# EAGLE board Mk4 Final a Panel score 2x5 (EAGLE 9.0.1), part 20 of 29
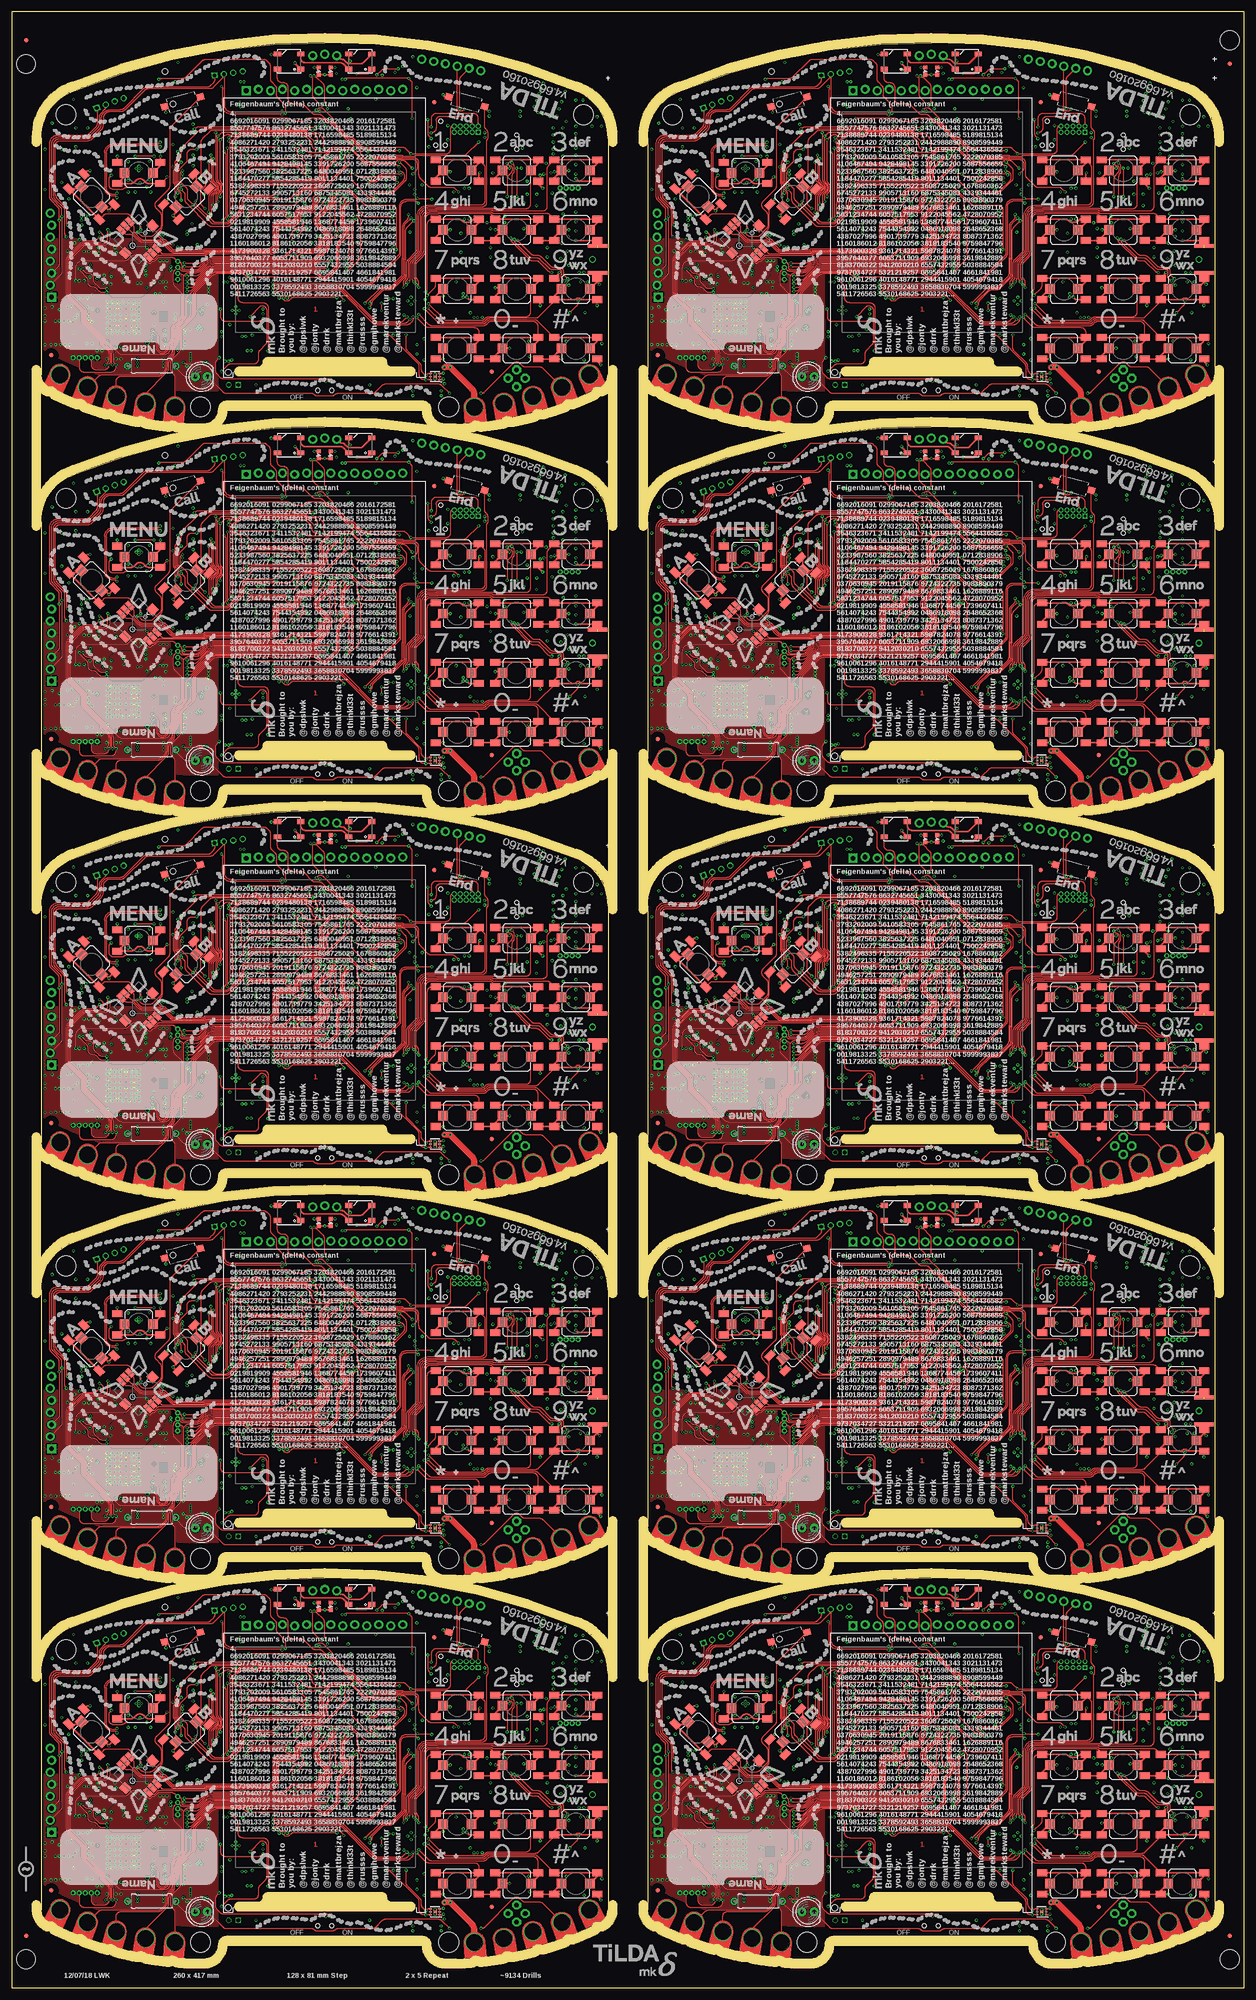
[diagram p0: board, top side]
## Tracks (layer width: path | path; a pad name or v marks a point on that pad's centre or on a via) (continued)
PWM6_LCD_BLIGHT5  (via drill 0.3) (continued)
  3V3@2 0.15: v192.8,224.6 198.85,218.55 v198.85,218.15
  Bottom 0.15: Q21.3 209.42,205.33 arc-45 209.28,204.98 v209.1,204.8 | IC92.63 187.3,226.8 v187.5,226.6
PWM6_LCD_BLIGHT6  (via drill 0.3)
  Top 0.15: v81.1,285.8 81.1,294.2 arc90 80.1,295.2 74.99,295.2 arc-45 74.28,295.49 70.85,298.92 v70.85,299.15 | v59.5,307.6 60.03,307.07 arc-45 60.17,306.72 60.17,306.35 arc90 60.92,305.6 v64.8,305.6
  3V3@2 0.15: v64.8,305.6 70.85,299.55 v70.85,299.15
  Bottom 0.15: Q25.3 81.42,286.33 arc-45 81.28,285.98 v81.1,285.8 | IC110.63 59.3,307.8 v59.5,307.6
PWM6_LCD_BLIGHT7  (via drill 0.3)
  Top 0.15: v209.1,285.8 209.1,294.2 arc90 208.1,295.2 202.99,295.2 arc-45 202.28,295.49 198.85,298.92 v198.85,299.15 | v187.5,307.6 188.03,307.07 arc-45 188.18,306.72 188.18,306.35 arc90 188.93,305.6 v192.8,305.6
  3V3@2 0.15: v192.8,305.6 198.85,299.55 v198.85,299.15
  Bottom 0.15: Q29.3 209.42,286.33 arc-45 209.28,285.98 v209.1,285.8 | IC128.63 187.3,307.8 v187.5,307.6
PWM6_LCD_BLIGHT8  (via drill 0.3)
  Top 0.15: v81.1,366.8 81.1,375.2 arc90 80.1,376.2 74.99,376.2 arc-45 74.28,376.49 70.85,379.92 v70.85,380.15 | v59.5,388.6 60.03,388.07 arc-45 60.17,387.72 60.17,387.35 arc90 60.92,386.6 v64.8,386.6
  3V3@2 0.15: v64.8,386.6 70.85,380.55 v70.85,380.15
  Bottom 0.15: Q33.3 81.42,367.33 arc-45 81.28,366.98 v81.1,366.8 | IC146.63 59.3,388.8 v59.5,388.6
PWM6_LCD_BLIGHT9  (via drill 0.3)
  Top 0.15: v209.1,366.8 209.1,375.2 arc90 208.1,376.2 202.99,376.2 arc-45 202.28,376.49 198.85,379.92 v198.85,380.15 | v187.5,388.6 188.03,388.07 arc-45 188.18,387.72 188.18,387.35 arc90 188.93,386.6 v192.8,386.6
  3V3@2 0.15: v192.8,386.6 198.85,380.55 v198.85,380.15
  Bottom 0.15: Q37.3 209.42,367.33 arc-45 209.28,366.98 v209.1,366.8 | IC164.63 187.3,388.8 v187.5,388.6
PWR_KEY_FET
  Bottom 0.15: IC5.39 105.4,37.25 arc-90 103.9,35.75 97.67,35.75 Q1.3
PWR_KEY_FET1
  Bottom 0.15: IC21.39 233.4,37.25 arc-90 231.9,35.75 225.68,35.75 Q6.3
PWR_KEY_FET2
  Bottom 0.15: IC39.39 105.4,118.25 arc-90 103.9,116.75 97.67,116.75 Q11.3
PWR_KEY_FET3
  Bottom 0.15: IC57.39 233.4,118.25 arc-90 231.9,116.75 225.68,116.75 Q15.3
PWR_KEY_FET4
  Bottom 0.15: IC75.39 105.4,199.25 arc-90 103.9,197.75 97.67,197.75 Q19.3
PWR_KEY_FET5
  Bottom 0.15: IC93.39 233.4,199.25 arc-90 231.9,197.75 225.68,197.75 Q23.3
PWR_KEY_FET6
  Bottom 0.15: IC111.39 105.4,280.25 arc-90 103.9,278.75 97.67,278.75 Q27.3
PWR_KEY_FET7
  Bottom 0.15: IC129.39 233.4,280.25 arc-90 231.9,278.75 225.68,278.75 Q31.3
PWR_KEY_FET8
  Bottom 0.15: IC147.39 105.4,361.25 arc-90 103.9,359.75 97.67,359.75 Q35.3
PWR_KEY_FET9
  Bottom 0.15: IC165.39 233.4,361.25 arc-90 231.9,359.75 225.68,359.75 Q39.3
RBIAS+
  Bottom 0.2: IC1.59 56.8,63.2 R3.1
RBIAS+1
  Bottom 0.2: IC20.59 184.8,63.2 R87.1
RBIAS+2
  Bottom 0.2: IC38.59 56.8,144.2 R165.1
RBIAS+3
  Bottom 0.2: IC56.59 184.8,144.2 R243.1
RBIAS+4
  Bottom 0.2: IC74.59 56.8,225.2 R321.1
RBIAS+5
  Bottom 0.2: IC92.59 184.8,225.2 R399.1
RBIAS+6
  Bottom 0.2: IC110.59 56.8,306.2 R477.1
RBIAS+7
  Bottom 0.2: IC128.59 184.8,306.2 R555.1
RBIAS+8
  Bottom 0.2: IC146.59 56.8,387.2 R633.1
RBIAS+9
  Bottom 0.2: IC164.59 184.8,387.2 R711.1
SDRAM_!CAS  (via drill 0.3)
  Top 0.15: v49.5,56.25 49.96,56.71 arc-45 50.66,57 64.1,57 arc90 65.6,58.5 65.6,60.69 arc-45 65.89,61.39 v66.5,62
  Bottom 0.15: IC2.17 48.95,56.3 49,56.25 v49.5,56.25 | IC1.83 67,62.91 arc-45 66.71,62.21 v66.5,62
SDRAM_!CAS1  (via drill 0.3)
  Top 0.15: v177.5,56.25 177.96,56.71 arc-45 178.66,57 192.1,57 arc90 193.6,58.5 193.6,60.69 arc-45 193.89,61.39 v194.5,62
  Bottom 0.15: IC19.17 176.95,56.3 177,56.25 v177.5,56.25 | IC20.83 195,62.91 arc-45 194.71,62.21 v194.5,62
SDRAM_!CAS2  (via drill 0.3)
  Top 0.15: v49.5,137.25 49.96,137.71 arc-45 50.66,138 64.1,138 arc90 65.6,139.5 65.6,141.69 arc-45 65.89,142.39 v66.5,143
  Bottom 0.15: IC37.17 48.95,137.3 49,137.25 v49.5,137.25 | IC38.83 67,143.91 arc-45 66.71,143.21 v66.5,143
SDRAM_!CAS3  (via drill 0.3)
  Top 0.15: v177.5,137.25 177.96,137.71 arc-45 178.66,138 192.1,138 arc90 193.6,139.5 193.6,141.69 arc-45 193.89,142.39 v194.5,143
  Bottom 0.15: IC55.17 176.95,137.3 177,137.25 v177.5,137.25 | IC56.83 195,143.91 arc-45 194.71,143.21 v194.5,143
SDRAM_!CAS4  (via drill 0.3)
  Top 0.15: v49.5,218.25 49.96,218.71 arc-45 50.66,219 64.1,219 arc90 65.6,220.5 65.6,222.69 arc-45 65.89,223.39 v66.5,224
  Bottom 0.15: IC73.17 48.95,218.3 49,218.25 v49.5,218.25 | IC74.83 67,224.91 arc-45 66.71,224.21 v66.5,224
SDRAM_!CAS5  (via drill 0.3)
  Top 0.15: v177.5,218.25 177.96,218.71 arc-45 178.66,219 192.1,219 arc90 193.6,220.5 193.6,222.69 arc-45 193.89,223.39 v194.5,224
  Bottom 0.15: IC91.17 176.95,218.3 177,218.25 v177.5,218.25 | IC92.83 195,224.91 arc-45 194.71,224.21 v194.5,224
SDRAM_!CAS6  (via drill 0.3)
  Top 0.15: v49.5,299.25 49.96,299.71 arc-45 50.66,300 64.1,300 arc90 65.6,301.5 65.6,303.69 arc-45 65.89,304.39 v66.5,305
  Bottom 0.15: IC109.17 48.95,299.3 49,299.25 v49.5,299.25 | IC110.83 67,305.91 arc-45 66.71,305.21 v66.5,305
SDRAM_!CAS7  (via drill 0.3)
  Top 0.15: v177.5,299.25 177.96,299.71 arc-45 178.66,300 192.1,300 arc90 193.6,301.5 193.6,303.69 arc-45 193.89,304.39 v194.5,305
  Bottom 0.15: IC127.17 176.95,299.3 177,299.25 v177.5,299.25 | IC128.83 195,305.91 arc-45 194.71,305.21 v194.5,305
SDRAM_!CAS8  (via drill 0.3)
  Top 0.15: v49.5,380.25 49.96,380.71 arc-45 50.66,381 64.1,381 arc90 65.6,382.5 65.6,384.69 arc-45 65.89,385.39 v66.5,386
  Bottom 0.15: IC145.17 48.95,380.3 49,380.25 v49.5,380.25 | IC146.83 67,386.91 arc-45 66.71,386.21 v66.5,386
SDRAM_!CAS9  (via drill 0.3)
  Top 0.15: v177.5,380.25 177.96,380.71 arc-45 178.66,381 192.1,381 arc90 193.6,382.5 193.6,384.69 arc-45 193.89,385.39 v194.5,386
  Bottom 0.15: IC163.17 176.95,380.3 177,380.25 v177.5,380.25 | IC164.83 195,386.91 arc-45 194.71,386.21 v194.5,386
SDRAM_!CS  (via drill 0.3)
  Top 0.15: v69.5,62.75 69.16,62.41 arc-45 68.89,62.3 arc45 68.18,62.01 66.49,60.32 arc45 66.2,59.61 66.2,58.4 arc-90 64.2,56.4 51.56,56.4 arc45 50.86,56.11 v49.5,54.75
  Bottom 0.15: IC2.19 48.43,54.75 v49.5,54.75 | IC1.103 72.55,62.8 arc-45 72.43,62.75 v69.5,62.75
SDRAM_!CS1  (via drill 0.3)
  Top 0.15: v197.5,62.75 197.16,62.41 arc-45 196.89,62.3 arc45 196.18,62.01 194.49,60.32 arc45 194.2,59.61 194.2,58.4 arc-90 192.2,56.4 179.56,56.4 arc45 178.86,56.11 v177.5,54.75
  Bottom 0.15: IC19.19 176.43,54.75 v177.5,54.75 | IC20.103 200.55,62.8 arc-45 200.43,62.75 v197.5,62.75
SDRAM_!CS2  (via drill 0.3)
  Top 0.15: v69.5,143.75 69.16,143.41 arc-45 68.89,143.3 arc45 68.18,143.01 66.49,141.32 arc45 66.2,140.61 66.2,139.4 arc-90 64.2,137.4 51.56,137.4 arc45 50.86,137.11 v49.5,135.75
  Bottom 0.15: IC37.19 48.43,135.75 v49.5,135.75 | IC38.103 72.55,143.8 arc-45 72.43,143.75 v69.5,143.75
SDRAM_!CS3  (via drill 0.3)
  Top 0.15: v197.5,143.75 197.16,143.41 arc-45 196.89,143.3 arc45 196.18,143.01 194.49,141.32 arc45 194.2,140.61 194.2,139.4 arc-90 192.2,137.4 179.56,137.4 arc45 178.86,137.11 v177.5,135.75
  Bottom 0.15: IC55.19 176.43,135.75 v177.5,135.75 | IC56.103 200.55,143.8 arc-45 200.43,143.75 v197.5,143.75
SDRAM_!CS4  (via drill 0.3)
  Top 0.15: v69.5,224.75 69.16,224.41 arc-45 68.89,224.3 arc45 68.18,224.01 66.49,222.32 arc45 66.2,221.61 66.2,220.4 arc-90 64.2,218.4 51.56,218.4 arc45 50.86,218.11 v49.5,216.75
  Bottom 0.15: IC73.19 48.43,216.75 v49.5,216.75 | IC74.103 72.55,224.8 arc-45 72.43,224.75 v69.5,224.75
SDRAM_!CS5  (via drill 0.3)
  Top 0.15: v197.5,224.75 197.16,224.41 arc-45 196.89,224.3 arc45 196.18,224.01 194.49,222.32 arc45 194.2,221.61 194.2,220.4 arc-90 192.2,218.4 179.56,218.4 arc45 178.86,218.11 v177.5,216.75
  Bottom 0.15: IC91.19 176.43,216.75 v177.5,216.75 | IC92.103 200.55,224.8 arc-45 200.43,224.75 v197.5,224.75
SDRAM_!CS6  (via drill 0.3)
  Top 0.15: v69.5,305.75 69.16,305.41 arc-45 68.89,305.3 arc45 68.18,305.01 66.49,303.32 arc45 66.2,302.61 66.2,301.4 arc-90 64.2,299.4 51.56,299.4 arc45 50.86,299.11 v49.5,297.75
  Bottom 0.15: IC109.19 48.43,297.75 v49.5,297.75 | IC110.103 72.55,305.8 arc-45 72.43,305.75 v69.5,305.75
SDRAM_!CS7  (via drill 0.3)
  Top 0.15: v197.5,305.75 197.16,305.41 arc-45 196.89,305.3 arc45 196.18,305.01 194.49,303.32 arc45 194.2,302.61 194.2,301.4 arc-90 192.2,299.4 179.56,299.4 arc45 178.86,299.11 v177.5,297.75
  Bottom 0.15: IC127.19 176.43,297.75 v177.5,297.75 | IC128.103 200.55,305.8 arc-45 200.43,305.75 v197.5,305.75
SDRAM_!CS8  (via drill 0.3)
  Top 0.15: v69.5,386.75 69.16,386.41 arc-45 68.89,386.3 arc45 68.18,386.01 66.49,384.32 arc45 66.2,383.61 66.2,382.4 arc-90 64.2,380.4 51.56,380.4 arc45 50.86,380.11 v49.5,378.75
  Bottom 0.15: IC145.19 48.43,378.75 v49.5,378.75 | IC146.103 72.55,386.8 arc-45 72.43,386.75 v69.5,386.75
SDRAM_!CS9  (via drill 0.3)
  Top 0.15: v197.5,386.75 197.16,386.41 arc-45 196.89,386.3 arc45 196.18,386.01 194.49,384.32 arc45 194.2,383.61 194.2,382.4 arc-90 192.2,380.4 179.56,380.4 arc45 178.86,380.11 v177.5,378.75
  Bottom 0.15: IC163.19 176.43,378.75 v177.5,378.75 | IC164.103 200.55,386.8 arc-45 200.43,386.75 v197.5,386.75
SDRAM_!RAS  (via drill 0.3)
  Top 0.15: v49.5,55.5 50.41,56.41 arc-45 51.11,56.7 64.15,56.7 arc90 65.9,58.45 65.9,60.24 arc-45 66.19,60.94 v67.25,62
  Bottom 0.15: IC2.18 v49.5,55.5 | IC1.84 67.4,62.36 arc-45 v67.25,62
SDRAM_!RAS1  (via drill 0.3)
  Top 0.15: v177.5,55.5 178.41,56.41 arc-45 179.11,56.7 192.15,56.7 arc90 193.9,58.45 193.9,60.24 arc-45 194.19,60.94 v195.25,62
  Bottom 0.15: IC19.18 v177.5,55.5 | IC20.84 195.4,62.36 arc-45 v195.25,62
SDRAM_!RAS2  (via drill 0.3)
  Top 0.15: v49.5,136.5 50.41,137.41 arc-45 51.11,137.7 64.15,137.7 arc90 65.9,139.45 65.9,141.24 arc-45 66.19,141.94 v67.25,143
  Bottom 0.15: IC37.18 v49.5,136.5 | IC38.84 67.4,143.36 arc-45 v67.25,143
SDRAM_!RAS3  (via drill 0.3)
  Top 0.15: v177.5,136.5 178.41,137.41 arc-45 179.11,137.7 192.15,137.7 arc90 193.9,139.45 193.9,141.24 arc-45 194.19,141.94 v195.25,143
  Bottom 0.15: IC55.18 v177.5,136.5 | IC56.84 195.4,143.36 arc-45 v195.25,143
SDRAM_!RAS4  (via drill 0.3)
  Top 0.15: v49.5,217.5 50.41,218.41 arc-45 51.11,218.7 64.15,218.7 arc90 65.9,220.45 65.9,222.24 arc-45 66.19,222.94 v67.25,224
  Bottom 0.15: IC73.18 v49.5,217.5 | IC74.84 67.4,224.36 arc-45 v67.25,224
SDRAM_!RAS5  (via drill 0.3)
  Top 0.15: v177.5,217.5 178.41,218.41 arc-45 179.11,218.7 192.15,218.7 arc90 193.9,220.45 193.9,222.24 arc-45 194.19,222.94 v195.25,224
  Bottom 0.15: IC91.18 v177.5,217.5 | IC92.84 195.4,224.36 arc-45 v195.25,224
SDRAM_!RAS6  (via drill 0.3)
  Top 0.15: v49.5,298.5 50.41,299.41 arc-45 51.11,299.7 64.15,299.7 arc90 65.9,301.45 65.9,303.24 arc-45 66.19,303.94 v67.25,305
  Bottom 0.15: IC109.18 v49.5,298.5 | IC110.84 67.4,305.36 arc-45 v67.25,305
SDRAM_!RAS7  (via drill 0.3)
  Top 0.15: v177.5,298.5 178.41,299.41 arc-45 179.11,299.7 192.15,299.7 arc90 193.9,301.45 193.9,303.24 arc-45 194.19,303.94 v195.25,305
  Bottom 0.15: IC127.18 v177.5,298.5 | IC128.84 195.4,305.36 arc-45 v195.25,305
SDRAM_!RAS8  (via drill 0.3)
  Top 0.15: v49.5,379.5 50.41,380.41 arc-45 51.11,380.7 64.15,380.7 arc90 65.9,382.45 65.9,384.24 arc-45 66.19,384.94 v67.25,386
  Bottom 0.15: IC145.18 v49.5,379.5 | IC146.84 67.4,386.36 arc-45 v67.25,386
SDRAM_!RAS9  (via drill 0.3)
  Top 0.15: v177.5,379.5 178.41,380.41 arc-45 179.11,380.7 192.15,380.7 arc90 193.9,382.45 193.9,384.24 arc-45 194.19,384.94 v195.25,386
  Bottom 0.15: IC163.18 v177.5,379.5 | IC164.84 195.4,386.36 arc-45 v195.25,386
SDRAM_!WE  (via drill 0.3)
  Top 0.15: v69.5,63.5 67.54,63.5 arc45 66.83,63.21 65.59,61.97 arc45 65.3,61.26 65.3,58.62 arc-90 64.05,57.38 50.29,57.38 arc45 49.58,57.08 v49.5,57
  Bottom 0.15: IC2.16 48.9,57.1 49,57 v49.5,57 | IC1.92 70.6,65.01 arc-45 70.31,64.31 v69.5,63.5
SDRAM_!WE1  (via drill 0.3)
  Top 0.15: v197.5,63.5 195.54,63.5 arc45 194.83,63.21 193.59,61.97 arc45 193.3,61.26 193.3,58.62 arc-90 192.05,57.38 178.29,57.38 arc45 177.58,57.08 v177.5,57
  Bottom 0.15: IC19.16 176.9,57.1 177,57 v177.5,57 | IC20.92 198.6,65.01 arc-45 198.31,64.31 v197.5,63.5
SDRAM_!WE2  (via drill 0.3)
  Top 0.15: v69.5,144.5 67.54,144.5 arc45 66.83,144.21 65.59,142.97 arc45 65.3,142.26 65.3,139.62 arc-90 64.05,138.38 50.29,138.38 arc45 49.58,138.08 v49.5,138
  Bottom 0.15: IC37.16 48.9,138.1 49,138 v49.5,138 | IC38.92 70.6,146.01 arc-45 70.31,145.31 v69.5,144.5
SDRAM_!WE3  (via drill 0.3)
  Top 0.15: v197.5,144.5 195.54,144.5 arc45 194.83,144.21 193.59,142.97 arc45 193.3,142.26 193.3,139.62 arc-90 192.05,138.38 178.29,138.38 arc45 177.58,138.08 v177.5,138
  Bottom 0.15: IC55.16 176.9,138.1 177,138 v177.5,138 | IC56.92 198.6,146.01 arc-45 198.31,145.31 v197.5,144.5
SDRAM_!WE4  (via drill 0.3)
  Top 0.15: v69.5,225.5 67.54,225.5 arc45 66.83,225.21 65.59,223.97 arc45 65.3,223.26 65.3,220.62 arc-90 64.05,219.38 50.29,219.38 arc45 49.58,219.08 v49.5,219
  Bottom 0.15: IC73.16 48.9,219.1 49,219 v49.5,219 | IC74.92 70.6,227.01 arc-45 70.31,226.31 v69.5,225.5
SDRAM_!WE5  (via drill 0.3)
  Top 0.15: v197.5,225.5 195.54,225.5 arc45 194.83,225.21 193.59,223.97 arc45 193.3,223.26 193.3,220.62 arc-90 192.05,219.38 178.29,219.38 arc45 177.58,219.08 v177.5,219
  Bottom 0.15: IC91.16 176.9,219.1 177,219 v177.5,219 | IC92.92 198.6,227.01 arc-45 198.31,226.31 v197.5,225.5
SDRAM_!WE6  (via drill 0.3)
  Top 0.15: v69.5,306.5 67.54,306.5 arc45 66.83,306.21 65.59,304.97 arc45 65.3,304.26 65.3,301.62 arc-90 64.05,300.38 50.29,300.38 arc45 49.58,300.08 v49.5,300
  Bottom 0.15: IC109.16 48.9,300.1 49,300 v49.5,300 | IC110.92 70.6,308.01 arc-45 70.31,307.31 v69.5,306.5
SDRAM_!WE7  (via drill 0.3)
  Top 0.15: v197.5,306.5 195.54,306.5 arc45 194.83,306.21 193.59,304.97 arc45 193.3,304.26 193.3,301.62 arc-90 192.05,300.38 178.29,300.38 arc45 177.58,300.08 v177.5,300
  Bottom 0.15: IC127.16 176.9,300.1 177,300 v177.5,300 | IC128.92 198.6,308.01 arc-45 198.31,307.31 v197.5,306.5
SDRAM_!WE8  (via drill 0.3)
  Top 0.15: v69.5,387.5 67.54,387.5 arc45 66.83,387.21 65.59,385.97 arc45 65.3,385.26 65.3,382.62 arc-90 64.05,381.38 50.29,381.38 arc45 49.58,381.08 v49.5,381
  Bottom 0.15: IC145.16 48.9,381.1 49,381 v49.5,381 | IC146.92 70.6,389.01 arc-45 70.31,388.31 v69.5,387.5
SDRAM_!WE9  (via drill 0.3)
  Top 0.15: v197.5,387.5 195.54,387.5 arc45 194.83,387.21 193.59,385.97 arc45 193.3,385.26 193.3,382.62 arc-90 192.05,381.38 178.29,381.38 arc45 177.58,381.08 v177.5,381
  Bottom 0.15: IC163.16 176.9,381.1 177,381 v177.5,381 | IC164.92 198.6,389.01 arc-45 198.31,388.31 v197.5,387.5
SDRAM_A0  (via drill 0.3)
  Top 0.15: v43,67.5 v43,67.49 42.98,67.47 42.98,62.27 43.02,62.22 43.02,57.7 arc45 43.32,56.99 43.73,56.58 arc-90 43.73,55.17 43.27,54.7 arc45 42.98,54 42.98,52.52 43.02,52.47 43.02,52.03 43,52.01 v43,51.5 | v58.3,51.5 57.99,51.19 arc-45 57.29,50.9 50.51,50.9 arc-45 49.81,51.19 v49.5,51.5
  Bottom 0.15: IC2.2 44.21,68.3 arc45 43.51,68.01 v43,67.5 | IC1.29 61,52.02 arc90 60.5,52.52 60.12,52.52 | v49.5,51.5 IC2.23 v43,51.5 | 60.12,52.52 | 60.12,52.52 59.68,52.52 arc45 59.08,52.28 v58.3,51.5
SDRAM_A1  (via drill 0.3)
  Top 0.15: v58.3,50.75 arc-45 57.94,50.6 49.86,50.6 arc-45 v49.5,50.75 | v45.75,66.5 46.11,66.14 arc-45 46.4,65.44 46.4,64.13 arc45 46.44,64.03 arc-45 46.5,63.89 v46.5,50.75
  Bottom 0.15: v45.75,66.5 arc-45 46.23,66.7 IC2.4 | IC1.30 60.6,51.98 arc90 60.35,52.23 59.68,52.23 arc45 59.33,52.08 59.21,51.96 arc45 59,51.45 arc-90 v58.3,50.75 | v49.5,50.75 49.07,50.75 arc45 48.95,50.7 IC2.24 47.8,50.7 47.75,50.75 v46.5,50.75
SDRAM_A2  (via drill 0.3)
  Top 0.15: v45.7,65.75 45.73,65.72 arc-45 46.02,65.01 46.02,52.4 45.98,52.35 45.98,50.02 v46,50 | v58.3,50 v58.29,50.01 arc45 57.59,50.3 50.21,50.3 arc45 v49.51,50.01 v49.5,50
  Bottom 0.15: v45.7,65.75 arc-45 46.06,65.9 IC2.5 | v49.5,50 49.08,50 arc45 48.94,49.94 48.9,49.9 IC2.25 47.85,49.9 47.81,49.94 arc45 47.67,50 v46,50 | IC1.31 60.2,49.85 arc-90 59.7,49.35 58.8,49.35 arc-90 58.3,49.85 v58.3,50 v58.3,49.99
SDRAM_A3  (via drill 0.3)
  Top 0.15: v45.5,64.25 45.48,64.22 45.48,49.27 v45.5,49.25 | v49.5,49.25 49.96,49.71 arc-45 50.66,50 57.14,50 arc-45 57.84,49.71 58.02,49.53 arc90 58.73,49.53 v59.2,50
  Bottom 0.15: v49.5,49.25 49,49.25 48.85,49.1 IC2.26 47.9,49.1 47.81,49.19 arc45 47.67,49.25 v45.5,49.25 | v59.2,50 59.3,50 arc90 59.8,50.5 IC1.32 | v45.5,64.25 45.52,64.25 45.57,64.2 46.61,64.2 arc-45 46.75,64.14 46.77,64.11 arc90 47.84,64.11 48.02,64.3 IC2.7
SDRAM_A4  (via drill 0.3)
  Top 0.15: v49.5,63.5 50.58,62.42 arc45 51.29,62.12 60.71,62.12 arc-45 61.42,61.83 v62.25,61 | v44.75,63.5 44.95,63.3 arc-45 45.1,62.94 45.1,49.76 arc-45 44.95,49.4 v44.55,49
  Bottom 0.15: IC1.22 63.8,59.04 arc45 63.51,59.74 v62.25,61 | v44.75,63.5 IC2.8 v49.5,63.5 | IC2.29 37.59,49.1 arc-45 37.69,49.06 arc45 37.83,49 v44.55,49
SDRAM_A5  (via drill 0.3)
  Top 0.15: v42,62.75 41.98,62.73 41.98,61.58 arc45 42.02,61.48 arc-45 42.08,61.34 42.08,57.8 arc45 42.37,57.09 43.23,56.23 arc-90 43.23,55.52 42.27,54.55 arc45 41.98,53.85 41.98,51.4 42.02,51.35 42.02,50.02 v42,50 | v62.25,60 61.54,60.71 arc45 60.84,61 57.67,61 arc-45 57.53,61.06 57.52,61.07 arc45 57.38,61.12 50.79,61.12 arc-45 50.08,61.42 v49.5,62
  Bottom 0.15: v62.25,60 63.11,59.14 arc-45 63.4,58.44 IC1.23 | v42,62.75 42.09,62.75 arc-45 42.79,62.46 42.96,62.29 arc45 43.66,62 47.42,62 arc-45 47.56,61.94 arc45 47.66,61.9 IC2.10 48.82,61.9 arc45 48.96,61.96 arc-45 49.06,62 v49.5,62 | IC2.30 37.59,49.9 arc45 37.69,49.94 arc-45 37.83,50 v42,50
SDRAM_A6  (via drill 0.3)
  Top 0.15: v41.5,61.25 41.5,59.74 41.52,59.72 41.52,57.93 arc45 41.82,57.22 42.99,56.05 arc-90 42.99,55.7 41.79,54.5 arc45 41.5,53.8 v41.5,50.75 | v62.25,59.25 61.09,60.41 arc45 60.39,60.7 57.55,60.7 arc-45 57.41,60.76 57.4,60.77 arc45 57.26,60.83 50.34,60.83 arc-45 49.63,61.12 v49.5,61.25
  Bottom 0.15: v62.25,59.25 62.71,58.79 arc-45 63,58.09 IC1.24 | v41.5,61.25 47.42,61.25 arc-45 47.56,61.19 47.59,61.16 arc45 47.73,61.1 IC2.11 48.77,61.1 arc45 48.91,61.16 48.94,61.19 arc-45 49.08,61.25 v49.5,61.25 | IC2.31 37.7,50.7 arc-45 37.82,50.75 v41.5,50.75
SDRAM_A7  (via drill 0.3)
  Top 0.15: v62.3,58.3 60.49,60.11 arc45 59.79,60.4 57.42,60.4 arc-45 57.28,60.46 57.28,60.47 arc45 57.13,60.52 50.94,60.52 arc45 50.23,60.23 v49.5,59.5 | v41,59.5 41,56.83 arc-45 40.71,56.12 40.14,55.56 arc45 39.85,54.85 39.85,52.81 arc45 40.14,52.11 v40.75,51.5
  Bottom 0.15: v49.5,59.5 IC2.13 v41,59.5 | IC2.32 v40.75,51.5 | IC1.25 62.6,53.26 62.62,53.28 62.62,57.56 arc45 62.33,58.27 v62.3,58.3
SDRAM_A8  (via drill 0.3)
  Top 0.15: v55.75,54.1 v55.74,54.09 arc-45 55.04,53.8 49.75,53.8 arc90 48.5,52.55 48.5,51.5 arc-45 48.21,50.79 45.89,48.47 arc-45 45.18,48.17 42.74,48.17 arc-45 42.03,48.47 v38.25,52.25 37.29,53.21 arc-45 37,53.91 37,55.33 arc45 36.71,56.03 35.47,57.27 arc-45 35.4,57.45 35.4,58.69 arc-45 35.55,59.05 v36,59.5
  Bottom 0.15: IC2.42 v36,59.5 | IC2.33 37.7,52.3 arc45 37.82,52.25 v38.25,52.25 | IC1.40 57.66,55.6 arc45 56.96,55.31 v55.75,54.1
SDRAM_A9  (via drill 0.3)
  Top 0.15: v35.75,53.25 35.75,54.34 arc45 35.46,55.05 35.38,55.12 arc-45 35.16,55.65 35.16,56.58 arc45 35.09,56.76 34.87,56.98 arc-45 34.8,57.16 34.8,59.24 arc-45 34.95,59.59 35.02,59.67 arc45 35.16,60.02 35.16,60.25 arc-45 35.46,60.96 v35.75,61.25 | v56.65,55.75 55.32,54.42 arc-45 54.61,54.12 49.5,54.12 arc90 48,52.62 48,51.42 arc-45 47.71,50.72 45.76,48.77 arc-45 45.05,48.48 43.2,48.48 arc-45 42.49,48.77 39.04,52.22 arc-45 38.75,52.92 v38.75,53
  Bottom 0.15: IC2.44 36.65,61.1 36.65,61.1 arc45 36.29,61.25 v35.75,61.25 | v35.75,53.25 36.29,53.25 arc-45 36.65,53.1 IC2.34 38.51,53.1 arc-45 v38.75,53 | IC1.41 57.25,56 arc45 v56.65,55.75
SDRAM_A10  (via drill 0.3)
  Top 0.15: v49.5,52.25 49.58,52.17 59.35,52.17 arc45 60.06,52.47 60.9,53.31 arc45 61.05,53.66 v61.05,53.8 | v42.5,52.25 42.5,53.95 arc-45 42.79,54.65 43.48,55.34 arc90 43.48,56.4 42.79,57.09 arc-45 42.5,57.8 v42.5,62
  Bottom 0.15: IC2.45 37.82,61.9 arc45 37.96,61.96 arc-45 38.06,62 v42.5,62 | v49.5,52.25 49,52.25 48.95,52.3 IC2.22 47.8,52.3 arc-45 47.68,52.25 v42.5,52.25 | IC1.50 59.54,59.6 arc-45 60.24,59.31 60.76,58.79 arc-45 61.05,58.09 v61.05,53.8
SDRAM_A11  (via drill 0.3)
  Top 0.15: v35,63.5 35,62.41 arc-45 34.71,61.71 arc45 34.5,61.21 34.5,60.49 34.52,60.47 34.52,60.1 arc-45 34.48,59.98 34.48,59.97 34.35,59.84 arc45 34.2,59.49 34.2,56.91 arc45 34.27,56.73 34.4,56.6 arc-45 34.48,56.42 34.48,54.53 34.5,54.51 v34.5,54 | v47.25,54.75 48.68,56.18 arc45 48.98,56.89 48.98,57.71 arc-45 49.27,58.42 50.46,59.61 arc-45 51.16,59.9 55.94,59.9 arc-45 56.64,59.61 56.96,59.29 arc45 57.66,59 v59.75,59
  Bottom 0.15: IC2.47 v35,63.5 | v34.5,54 36.42,54 arc-45 36.56,53.94 36.6,53.9 IC2.35 42.49,53.9 arc45 43.19,54.19 43.46,54.46 arc-45 44.16,54.75 v47.25,54.75 | IC1.49 59.27,59.2 arc-45 v59.75,59
SDRAM_A12  (via drill 0.3)
  Top 0.15: v35,54.75 35,55.08 34.86,55.22 34.86,56.46 arc45 34.79,56.64 34.57,56.85 arc-45 34.5,57.03 34.5,59.37 arc-45 34.65,59.72 34.72,59.79 arc45 34.86,60.14 34.86,60.95 arc-45 35.16,61.66 35.46,61.96 arc45 35.75,62.66 v35.75,64.25 39.53,68.03 arc-45 40.24,68.33 50.73,68.33 50.79,68.38 arc-90 52.21,68.38 52.42,68.17 62.97,68.17 arc-45 v63.47,67.97
  Bottom 0.15: IC2.48 36.55,64.3 36.5,64.25 v35.75,64.25 | IC2.36 36.55,54.7 36.5,54.75 v35,54.75 | v63.47,67.97 63.8,67.64 IC1.75
SDRAM_A13  (via drill 0.3)
  Top 0.15: v171,67.5 v171,67.49 170.97,67.47 170.97,62.27 171.03,62.22 171.03,57.7 arc45 171.32,56.99 171.73,56.58 arc-90 171.73,55.17 171.27,54.7 arc45 170.97,54 170.97,52.52 171.03,52.47 171.03,52.03 171,52.01 v171,51.5 | v186.3,51.5 185.99,51.19 arc-45 185.29,50.9 178.51,50.9 arc-45 177.81,51.19 v177.5,51.5
  Bottom 0.15: IC19.2 172.21,68.3 arc45 171.51,68.01 v171,67.5 | IC20.29 189,52.02 arc90 188.5,52.52 188.12,52.52 | v177.5,51.5 IC19.23 v171,51.5 | 188.12,52.52 | 188.12,52.52 187.68,52.52 arc45 187.08,52.28 v186.3,51.5
SDRAM_A14  (via drill 0.3)
  Top 0.15: v186.3,50.75 arc-45 185.94,50.6 177.86,50.6 arc-45 v177.5,50.75 | v173.75,66.5 174.11,66.14 arc-45 174.4,65.44 174.4,64.13 arc45 174.44,64.03 arc-45 174.5,63.89 v174.5,50.75
  Bottom 0.15: v173.75,66.5 arc-45 174.23,66.7 IC19.4 | IC20.30 188.6,51.98 arc90 188.35,52.23 187.68,52.23 arc45 187.33,52.08 187.21,51.96 arc45 187,51.45 arc-90 v186.3,50.75 | v177.5,50.75 177.07,50.75 arc45 176.95,50.7 IC19.24 175.8,50.7 175.75,50.75 v174.5,50.75
SDRAM_A15  (via drill 0.3)
  Top 0.15: v173.7,65.75 173.73,65.72 arc-45 174.03,65.01 174.03,52.4 173.97,52.35 173.97,50.02 v174,50 | v186.3,50 v186.29,50.01 arc45 185.59,50.3 178.21,50.3 arc45 v177.51,50.01 v177.5,50
  Bottom 0.15: v173.7,65.75 arc-45 174.06,65.9 IC19.5 | v177.5,50 177.08,50 arc45 176.94,49.94 176.9,49.9 IC19.25 175.85,49.9 175.81,49.94 arc45 175.67,50 v174,50 | IC20.31 188.2,49.85 arc-90 187.7,49.35 186.8,49.35 arc-90 186.3,49.85 v186.3,50 v186.3,49.99
SDRAM_A16  (via drill 0.3)
  Top 0.15: v173.5,64.25 173.47,64.22 173.47,49.27 v173.5,49.25 | v177.5,49.25 177.96,49.71 arc-45 178.66,50 185.14,50 arc-45 185.84,49.71 186.02,49.53 arc90 186.73,49.53 v187.2,50
  Bottom 0.15: v177.5,49.25 177,49.25 176.85,49.1 IC19.26 175.9,49.1 175.81,49.19 arc45 175.67,49.25 v173.5,49.25 | v187.2,50 187.3,50 arc90 187.8,50.5 IC20.32 | v173.5,64.25 173.52,64.25 173.57,64.2 174.61,64.2 arc-45 174.75,64.14 174.78,64.11 arc90 175.83,64.11 176.02,64.3 IC19.7
SDRAM_A17  (via drill 0.3)
  Top 0.15: v177.5,63.5 178.58,62.42 arc45 179.29,62.12 188.71,62.12 arc-45 189.42,61.83 v190.25,61 | v172.75,63.5 172.95,63.3 arc-45 173.1,62.94 173.1,49.76 arc-45 172.95,49.4 v172.55,49
  Bottom 0.15: IC20.22 191.8,59.04 arc45 191.51,59.74 v190.25,61 | v172.75,63.5 IC19.8 v177.5,63.5 | IC19.29 165.59,49.1 arc-45 165.69,49.06 arc45 165.83,49 v172.55,49
SDRAM_A18  (via drill 0.3)
  Top 0.15: v170,62.75 169.97,62.73 169.97,61.58 arc45 170.02,61.48 arc-45 170.07,61.34 170.07,57.8 arc45 170.37,57.09 171.24,56.23 arc-90 171.24,55.52 170.27,54.55 arc45 169.97,53.85 169.97,51.4 170.03,51.35 170.03,50.02 v170,50 | v190.25,60 189.54,60.71 arc45 188.84,61 185.67,61 arc-45 185.53,61.06 185.53,61.07 arc45 185.38,61.12 178.79,61.12 arc-45 178.08,61.42 v177.5,62
  Bottom 0.15: v190.25,60 191.11,59.14 arc-45 191.4,58.44 IC20.23 | v170,62.75 170.09,62.75 arc-45 170.79,62.46 170.96,62.29 arc45 171.66,62 175.42,62 arc-45 175.56,61.94 arc45 175.66,61.9 IC19.10 176.82,61.9 arc45 176.96,61.96 arc-45 177.06,62 v177.5,62 | IC19.30 165.59,49.9 arc45 165.69,49.94 arc-45 165.83,50 v170,50
SDRAM_A19  (via drill 0.3)
  Top 0.15: v169.5,61.25 169.5,59.74 169.53,59.72 169.53,57.93 arc45 169.82,57.22 170.99,56.05 arc-90 170.99,55.7 169.79,54.5 arc45 169.5,53.8 v169.5,50.75 | v190.25,59.25 189.09,60.41 arc45 188.39,60.7 185.55,60.7 arc-45 185.41,60.76 185.4,60.77 arc45 185.26,60.83 178.34,60.83 arc-45 177.63,61.12 v177.5,61.25
  Bottom 0.15: v190.25,59.25 190.71,58.79 arc-45 191,58.09 IC20.24 | v169.5,61.25 175.42,61.25 arc-45 175.56,61.19 175.59,61.16 arc45 175.73,61.1 IC19.11 176.77,61.1 arc45 176.91,61.16 176.94,61.19 arc-45 177.08,61.25 v177.5,61.25 | IC19.31 165.7,50.7 arc-45 165.82,50.75 v169.5,50.75